# Allegro board MCU-OLD.brd (continued)
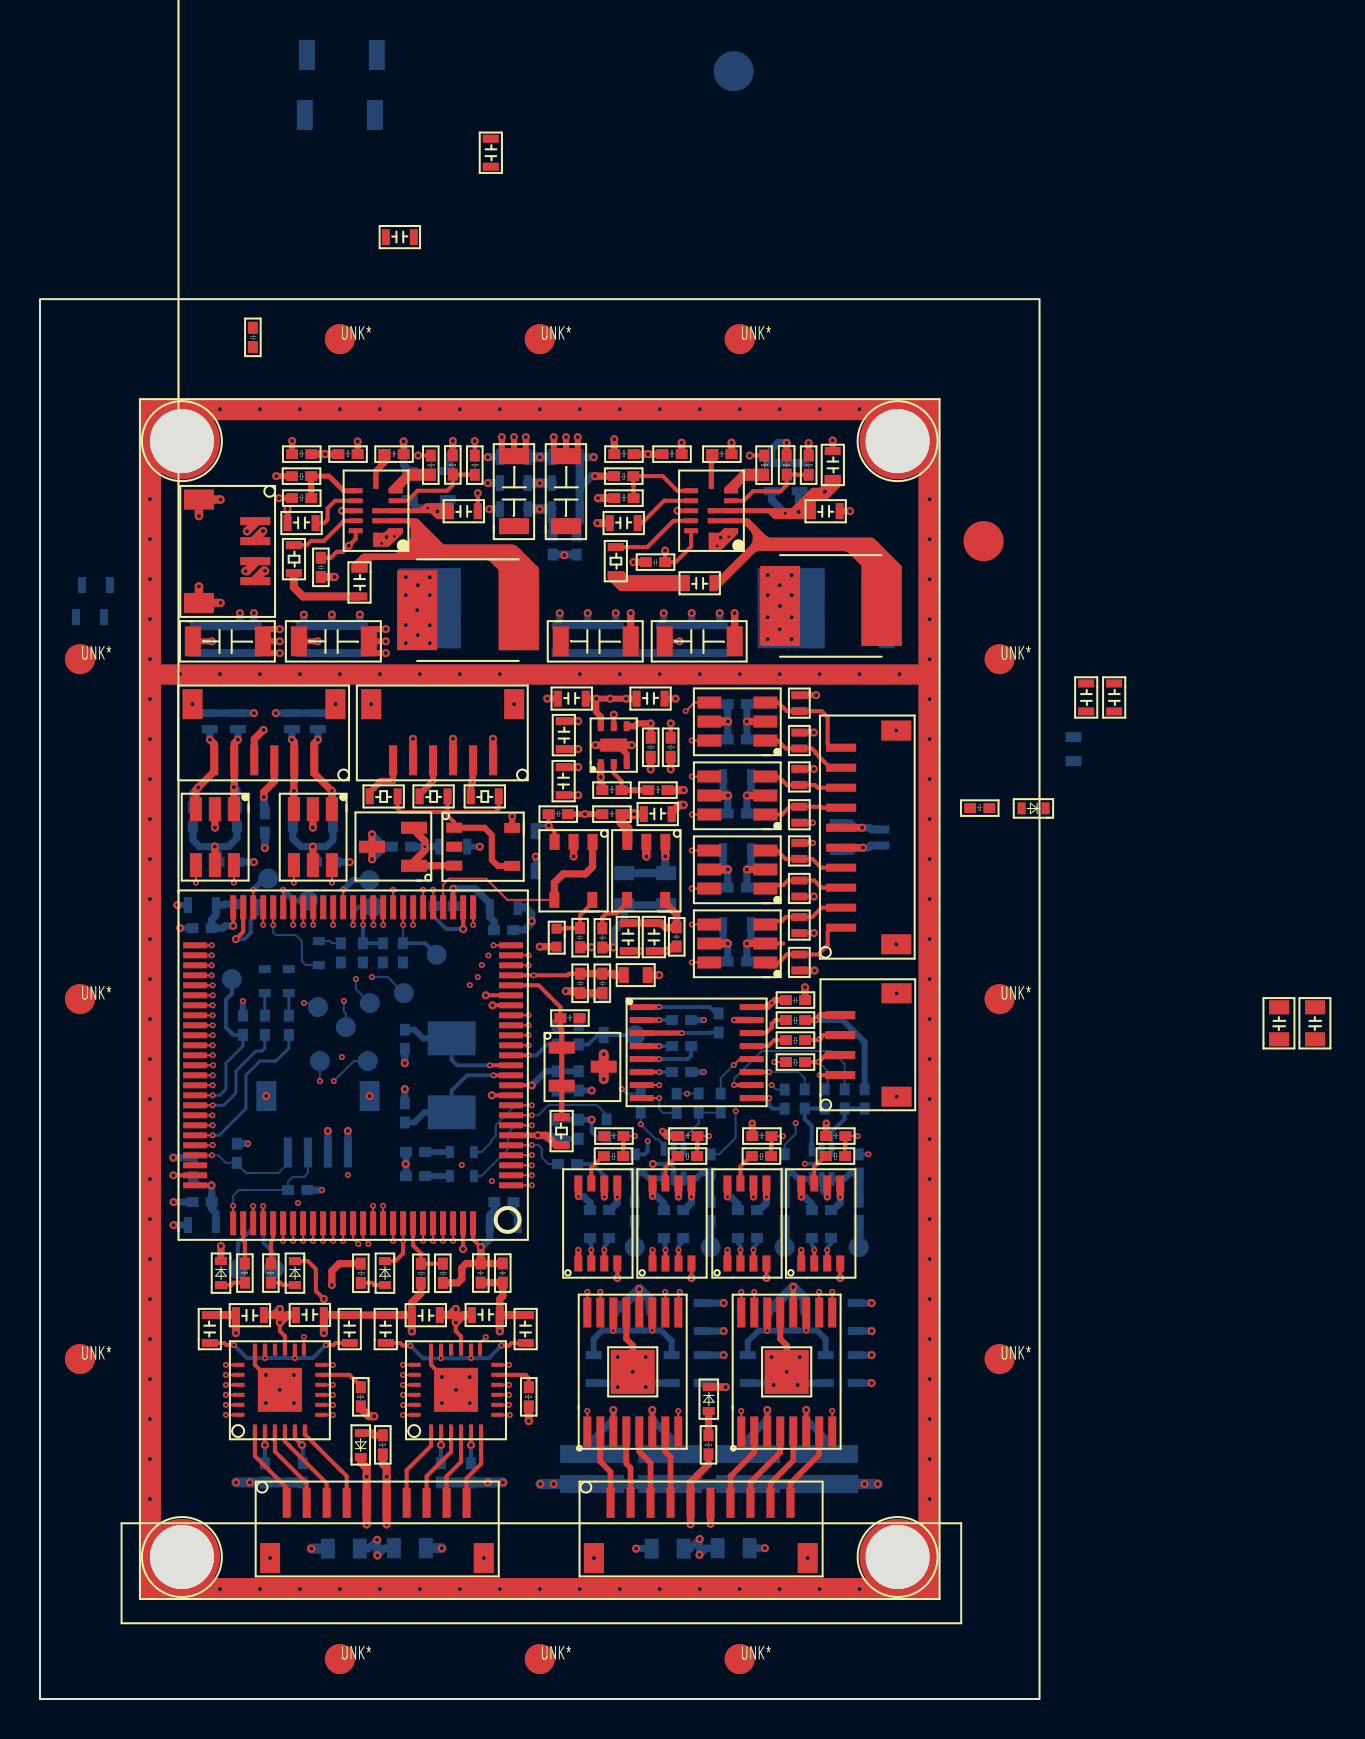
[diagram p0: board, top side]
## Placement (name value [footprint] x y rotation side) (continued)
NOREF#308  -  []  35.7 8.16 90 top
NOREF#309  -  []  27.1 59.91 0 top
NOREF#310  -  []  37.45 26.35 0 top
NOREF#311  -  []  24.18 21.32 90 top
NOREF#312  -  []  22.27 25.24 90 top
NOREF#313  -  []  31.25 26.98 90 top
NOREF#314  -  []  8.77 38.16 0 top
NOREF#315  -  []  10.3 83 90 top
NOREF#316  -  []  24 40 90 top
NOREF#317  -  []  40.07 47.57 90 top
NOREF#318  -  []  9.32 44.13 0 top
NOREF#319  -  []  11.95 24.28 0 top
NOREF#320  -  []  34.07 39.91 0 top
NOREF#321  -  []  9.8 49.4 90 top
NOREF#322  -  []  36.72 26.78 0 top
NOREF#323  -  []  40.9 12.7 90 top
NOREF#324  -  []  27.33 25.58 90 top
NOREF#325  -  []  27.63 39.96 90 top
NOREF#326  -  []  31.4 29.82 90 top
NOREF#327  -  []  38.73 32.56 90 top
NOREF#328  -  []  28.3 30.93 90 top
NOREF#329  -  []  53.7 48.3 90 top
NOREF#330  -  []  26.49 34.21 0 top
NOREF#331  -  []  15.9 18.51 0 top
NOREF#332  -  []  33.33 26.76 90 top
NOREF#333  -  []  29.05 32.88 90 top
NOREF#334  -  []  37.68 49.03 0 top
NOREF#335  -  []  14.12 44.13 0 top
NOREF#336  -  []  27.1 61.21 0 top
NOREF#337  -  []  30.14 60.76 90 top
NOREF#338  -  []  27.2 54.8 90 top
NOREF#339  -  []  36.85 31.46 0 top
NOREF#340  -  []  15.6 53.01 0 top
NOREF#341  -  []  17.4 19.71 90 top
NOREF#342  -  []  32.14 50.4 90 top
NOREF#343  -  []  17.5 9.41 0 top
NOREF#344  -  []  10.3 84.6 0 top
NOREF#345  -  []  17.2 73.51 0 top
NOREF#346  -  []  19.6 29.33 90 top
NOREF#347  -  []  45.4 52.5 90 top
NOREF#348  -  []  13.75 61.08 0 top
NOREF#349  -  []  30.43 20.78 0 top
NOREF#350  -  []  29.85 56.46 0 top
NOREF#351  -  []  37.42 43.89 90 top
NOREF#352  -  []  28.37 34.21 90 top
NOREF#353  -  []  24.8 41.4 90 top
NOREF#354  -  []  17.7 18.51 0 top
NOREF#355  -  []  17.5 17.7 90 top
NOREF#356  -  []  22.81 59.8 90 top
NOREF#357  -  []  16.62 37.33 0 top
NOREF#358  -  []  16 44.13 90 top
NOREF#359  -  []  15.52 19.71 0 top
NOREF#360  -  []  34.4 6.9 90 top
NOREF#361  -  []  29.7 28.53 90 top
NOREF#362  -  []  19.01 47.17 0 top
NOREF#363  -  []  10.65 24.46 90 top
NOREF#364  -  []  33.5 20.71 0 top
NOREF#365  -  []  31.9 46.01 90 top
NOREF#366  -  []  39.48 61.73 90 top
NOREF#367  -  []  28.7 40.75 0 top
NOREF#368  -  []  22.25 37.28 0 top
NOREF#369  -  []  27.3 16.51 0 top
NOREF#370  -  []  42.3 26.78 90 top
NOREF#371  -  []  24.5 62.5 90 top
NOREF#372  -  []  0.4 56.91 0 top
NOREF#373  -  []  13.88 58.4 90 top
NOREF#374  -  []  27.27 38.09 0 top
NOREF#375  -  []  35.67 42.8 90 top
NOREF#376  -  []  7.12 44.13 0 top
NOREF#377  -  []  38.9 16.51 0 top
NOREF#378  -  []  28.44 30.1 90 top
NOREF#379  -  []  17.5 37.33 90 top
NOREF#380  -  []  31.34 43.01 90 top
NOREF#381  -  []  16.2 8.15 0 top
NOREF#382  -  []  10.5 52.2 90 top
NOREF#383  -  []  34.98 43.01 90 top
NOREF#384  -  []  38.4 62.71 0 top
NOREF#385  -  []  31.1 26.78 90 top
NOREF#386  -  []  20.72 42.62 90 top
NOREF#387  -  []  18.18 15.13 90 top
NOREF#388  -  []  23.62 43.56 90 top
NOREF#389  -  []  38.8 13.06 90 top
NOREF#390  -  []  14.3 18.8 90 top
NOREF#391  -  []  8.9 24.11 0 top
NOREF#392  -  []  19.28 12.73 90 top
NOREF#393  -  []  13.1 53.7 0 top
NOREF#394  -  []  14.2 50 0 top
NOREF#395  -  []  12.28 32.11 90 top
NOREF#396  -  []  26.6 45.91 0 top
NOREF#397  -  []  38.15 23.28 0 top
NOREF#398  -  []  38.28 36.93 0 top
NOREF#399  -  []  31.2 27.51 0 top
NOREF#400  -  []  27.24 55.16 0 top
NOREF#401  -  []  15.4 55.01 90 top
NOREF#402  -  []  21.65 44.14 90 top
NOREF#403  -  []  32.8 15.7 90 top
NOREF#404  -  []  18.2 6.9 90 top
NOREF#405  -  []  22.9 60.71 0 top
NOREF#406  -  []  30.1 44.66 0 top
NOREF#407  -  []  22.27 26.02 0 top
NOREF#408  -  []  36.46 48.4 90 top
NOREF#409  -  []  22.2 7.05 90 top
NOREF#410  -  []  35.67 46.5 90 top
NOREF#411  -  []  22.3 21.32 0 top
NOREF#412  -  []  26.16 41.75 90 top
NOREF#413  -  []  38.28 44.32 0 top
NOREF#414  -  []  28.46 43.08 90 top
NOREF#415  -  []  19.56 13.43 0 top
NOREF#416  -  []  21.5 19.61 0 top
NOREF#417  -  []  17.14 41.45 0 top
NOREF#418  -  []  23.07 42.22 90 top
NOREF#419  -  []  32.4 52.2 90 top
NOREF#420  -  []  25.26 56.77 0 top
NOREF#421  -  []  25.8 50.43 0 top
NOREF#422  -  []  22.4 49.3 90 top
NOREF#423  -  []  18.15 13.41 90 top
NOREF#424  -  []  43.08 22.81 90 top
NOREF#425  -  []  11.2 44.13 90 top
NOREF#426  -  []  25.45 25.58 0 top
NOREF#427  -  []  47.67 43.38 0 top
NOREF#428  -  []  9.66 23.79 0 top
NOREF#429  -  []  36.56 19.98 0 top
NOREF#430  -  []  31.88 46.21 0 top
NOREF#431  -  []  64.6 32.79 90 top
NOREF#432  -  []  23.1 18.8 90 top
NOREF#433  -  []  40.47 26.98 0 top
NOREF#434  -  []  20.9 60.12 90 top
NOREF#435  -  []  22.78 61.73 90 top
NOREF#436  -  []  12.14 60.76 0 top
NOREF#437  -  []  31.9 38.9 90 top
NOREF#438  -  []  33.8 57.01 0 top
NOREF#439  -  []  25.26 41.75 0 top
NOREF#440  -  []  33.6 53.01 0 top
NOREF#441  -  []  38.73 31.46 90 top
NOREF#442  -  []  16.4 37.33 90 top
NOREF#443  -  []  12.34 9.81 0 top
NOREF#444  -  []  26.3 26.35 0 top
NOREF#445  -  []  33.8 22.81 0 top
NOREF#446  -  []  14.5 11.33 90 top
NOREF#447  -  []  53.53 50.88 90 top
NOREF#448  -  []  25.8 49.81 0 top
NOREF#449  -  []  13.52 55.01 0 top
NOREF#450  -  []  27.2 30.93 90 top
NOREF#451  -  []  26.42 30.93 0 top
NOREF#452  -  []  24.5 60.4 0 top
NOREF#453  -  []  7.1 7.1 0 top
NOREF#454  -  []  12.38 21.32 90 top
NOREF#455  -  []  10.2 81.6 0 top
NOREF#456  -  []  12.3 58.61 0 top
NOREF#457  -  []  28.93 21.88 90 top
NOREF#458  -  []  30.8 53.01 0 top
NOREF#459  -  []  17.72 29.33 0 top
NOREF#460  -  []  24.7 18.51 0 top
NOREF#461  -  []  32.42 29.82 0 top
NOREF#462  -  []  16.07 61.08 0 top
NOREF#463  -  []  29.87 61.08 0 top
NOREF#464  -  []  34.3 29.82 90 top
NOREF#465  -  []  33.03 32.78 90 top
NOREF#466  -  []  64.4 34.04 0 top
NOREF#467  -  []  35.67 39.1 90 top
NOREF#468  -  []  35.54 40.19 0 top
NOREF#469  -  []  7.5 53.01 0 top
NOREF#470  -  []  14.77 56.63 90 top
NOREF#471  -  []  42.8 17.3 90 top
NOREF#472  -  []  16.3 52.1 90 top
NOREF#473  -  []  10.08 42.87 0 top
NOREF#474  -  []  29.9 15.1 0 top
NOREF#475  -  []  8.8 50 0 top
NOREF#476  -  []  30.02 46.01 0 top
NOREF#477  -  []  28.2 45.1 90 top
NOREF#478  -  []  31.7 43.85 90 top
NOREF#479  -  []  28.66 33.55 0 top
NOREF#480  -  []  35.69 60.12 0 top
NOREF#481  -  []  33.5 18.11 0 top
NOREF#482  -  []  36.65 61.08 90 top
NOREF#483  -  []  26.69 42.86 0 top
NOREF#484  -  []  35.3 33.83 90 top
NOREF#485  -  []  0.4 56.1 90 top
NOREF#486  -  []  40.72 30.03 0 top
NOREF#487  -  []  39.28 36.33 90 top
NOREF#488  -  []  31.2 16.51 0 top
NOREF#489  -  []  7.9 25.01 0 top
NOREF#490  -  []  37.68 50.9 0 top
NOREF#491  -  []  10.3 53.01 0 top
NOREF#492  -  []  10.65 38.16 90 top
NOREF#493  -  []  27.6 34.21 0 top
NOREF#494  -  []  16.3 15.13 0 top
NOREF#495  -  []  8.77 24.46 0 top
NOREF#496  -  []  38.8 6.4 90 top
NOREF#497  -  []  14 44.13 90 top
NOREF#498  -  []  34.95 26.98 90 top
NOREF#499  -  []  20.1 20.41 0 top
NOREF#500  -  []  23.56 25.69 90 top
NOREF#501  -  []  12.8 53.01 0 top
NOREF#502  -  []  14.4 52.2 90 top
NOREF#503  -  []  33.8 15.1 0 top
NOREF#504  -  []  24.5 59.9 90 top
NOREF#505  -  []  35.54 47.59 0 top
NOREF#506  -  []  40.65 21.2 90 top
NOREF#507  -  []  11.3 20.41 0 top
NOREF#508  -  []  38.6 26.78 90 top
NOREF#509  -  []  15.2 49.4 90 top
NOREF#510  -  []  29.48 36.48 90 top
NOREF#511  -  []  45.4 54.8 90 top
NOREF#512  -  []  21.5 19.71 90 top
NOREF#513  -  []  33.8 52.2 90 top
NOREF#514  -  []  34.07 43.61 0 top
NOREF#515  -  []  27.2 33.23 90 top
NOREF#516  -  []  19.7 59.9 90 top
NOREF#517  -  []  33.52 29.82 0 top
NOREF#518  -  []  24 24.1 90 top
NOREF#519  -  []  28.4 59.21 0 top
NOREF#520  -  []  13.9 49.4 90 top
NOREF#521  -  []  26 15.1 0 top
NOREF#522  -  []  40.91 59.8 90 top
NOREF#523  -  []  19.5 8.16 90 top
NOREF#524  -  []  36.85 32.56 0 top
NOREF#525  -  []  34.77 61.08 0 top
NOREF#526  -  []  42.2 54.1 0 top
NOREF#527  -  []  29.15 38.09 90 top
NOREF#528  -  []  37 12.7 90 top
NOREF#529  -  []  8.52 68.07 0 top
NOREF#530  -  []  15.23 40.68 90 top
NOREF#531  -  []  26.59 43.08 0 top
NOREF#532  -  []  26.96 13.41 90 top
NOREF#533  -  []  38.6 26 90 top
NOREF#534  -  []  17.99 46.35 0 top
NOREF#535  -  []  34.45 21.88 0 top
NOREF#536  -  []  36.6 15.7 90 top
NOREF#537  -  []  12.62 11.33 0 top
NOREF#538  -  []  19.59 45.54 90 top
NOREF#539  -  []  27.2 26.91 0 top
NOREF#540  -  []  30.33 42.86 0 top
NOREF#541  -  []  19.5 37.33 90 top
NOREF#542  -  []  10.5 17.7 90 top
NOREF#543  -  []  22.15 78.93 0 top
NOREF#544  -  []  8.9 40.11 0 top
NOREF#545  -  []  29.56 33.55 90 top
NOREF#546  -  []  30 57.7 90 top
NOREF#547  -  []  18.5 31.41 0 top
NOREF#548  -  []  14.52 37.33 0 top
NOREF#549  -  []  33.07 26.98 0 top
NOREF#550  -  []  22.9 11.33 90 top
NOREF#551  -  []  40.03 23.28 90 top
NOREF#552  -  []  31.88 22.81 90 top
NOREF#553  -  []  33.1 12.7 90 top
NOREF#554  -  []  2.36 44.99 0 top
NOREF#555  -  []  35.1 19.9 90 top
NOREF#556  -  []  36.85 34.56 0 top
NOREF#557  -  []  38.16 19.17 90 top
NOREF#558  -  []  10.5 39.3 90 top
NOREF#559  -  []  20.38 31.41 90 top
NOREF#560  -  []  9.45 38.58 0 top
NOREF#561  -  []  19.02 41.45 90 top
NOREF#562  -  []  20.25 61.08 90 top
NOREF#563  -  []  33.03 31.48 90 top
NOREF#564  -  []  39.1 26 0 top
NOREF#565  -  []  27.1 62.51 0 top
NOREF#566  -  []  18.71 41.66 90 top
NOREF#567  -  []  30.75 21.88 0 top
NOREF#568  -  []  23.2 50.4 90 top
NOREF#569  -  []  16.66 30.69 90 top
NOREF#570  -  []  25.32 33.23 0 top
NOREF#571  -  []  15.2 54.4 0 top
NOREF#572  -  []  18.8 72.7 90 top
NOREF#573  -  []  22.86 17.51 0 top
NOREF#574  -  []  27.38 13.38 0 top
NOREF#575  -  []  8.9 18.51 0 top
NOREF#576  -  []  28.24 46.21 0 top
NOREF#577  -  []  45 5 90 top
NOREF#578  -  []  23.4 21.32 0 top
NOREF#579  -  []  36.33 21.88 90 top
NOREF#580  -  []  30.3 39.71 0 top
NOREF#581  -  []  40.03 21.88 90 top
NOREF#582  -  []  39.63 13.38 90 top
NOREF#583  -  []  31.73 56.46 90 top
NOREF#584  -  []  38.28 40.63 0 top
NOREF#585  -  []  27.4 49.62 90 top
R49  100K  [R0402]  29.7 62.5 180 top
R50  DNP  [R0402]  32.11 62.5 180 top
R51  100K  [R0402]  13.58 62.5 180 top
R52  DNP  [R0402]  15.9 62.5 180 top
R57  100K  [R0402]  36.47 61.21 90 top
R58  787K  [R0402]  37.1 62.2 270 top
R59  DNP  [R0402]  38.7 61.21 90 top
R60  100K  [R0402]  19.8 61.21 90 top
R61  499K  [R0402]  20.4 62.2 270 top
R62  DNP  [R0402]  22 61.21 90 top
R69  40.2K  [R0402]  28.71 60.9 0 top
R70  40.2K  [R0402]  12.59 60.9 0 top
R75  294K  [R0402]  29.7 60.3 180 top
R76  182K  [R0402]  13.58 60.3 180 top
R86  0  [R0603]  28.4 57.7 270 top
R87  0  [R0603]  12.3 57.8 270 top
R134  0  [R0402]  16.4 37.8 270 bottom
R135  DNP  [R0402]  17.4 37.8 270 bottom
R140  1K  [R0402]  11 33.2 90 bottom
R144  1K  [R0402]  12.2 33.2 90 bottom
R145  1K  [R0402]  11.3 21.79 270 top
R150  1K  [R0402]  10 21.79 270 top
R153  10K  [R0402]  9.6 26.8 90 bottom
R154  12K  [R0402]  26.6 57.21 90 bottom
R156  68K  [R0402]  25.9 58.2 270 bottom
R157  10K  [R0402]  12.4 25.7 0 bottom
R170  0.47  [R3216]  26 12.7 0 bottom
R171  0.47  [R3216]  29.9 12.7 0 bottom
R172  0.47  [R3216]  33.8 12.7 0 bottom
R173  0.47  [R3216]  37.7 12.7 0 bottom
R176  0  [R0402]  24.2 15.6 270 top
R178  0  [R0402]  20.3 11.8 270 bottom
R180  10K  [R0402]  25.9 27 0 bottom
R181  1K  [R0402]  18.3 26.4 0 bottom
R182  10K  [R0402]  28.6 29 270 bottom
R183  1K  [R0402]  15.3 37.8 270 bottom
R184  0  [R0402]  21.8 11.8 270 bottom
R186  1K  [R0402]  18.3 27.6 0 bottom
R187  10K  [R0402]  7.9 44.6 270 bottom
R189  10K  [R0402]  10.1 44.6 270 bottom
R291  560  [R0603]  21.47 42.22 180 bottom
R297  1K,1%  [R0603]  17.99 45.54 180 top
R298  1K,1%  [R0603]  20.49 45.54 180 top
R299  1K,1%  [R0603]  23.05 45.54 180 top
R308  DNP  [R0402]  30.8 47.1 90 top
R309  10K  [R0402]  18.4 37.8 270 bottom
R315  51.1K  [R0402]  29.1 45.7 180 top
R316  40.2K  [R0402]  31.4 45.7 180 top
R317  51.1K  [R0402]  31.8 47.1 90 top
R320  560  [R0603]  26.5 27.6 90 top
R321  4.7K  [R0402]  47.5 44.8 180 top
R322  33  [R0402]  37 23.9 90 bottom
R323  10K  [R0402]  27.2 33.7 270 bottom
R324  DNP  [R0402]  37.5 27.25 270 bottom
R327  6.8K  [R0402]  33.19 13.2 270 top
R328  10K  [R0402]  9.9 33.2 90 bottom
R329  33  [R0402]  33.3 23.9 90 bottom
R330  33  [R0402]  40.7 23.9 90 bottom
R331  DNP  [R0402]  33.8 27.25 270 bottom
R332  DNP  [R0402]  41.2 27.25 270 bottom
R334  DNP  [R0402]  37 29.51 90 bottom
R335  0  [R0402]  30.3 30.29 270 bottom
R336  33  [R0402]  29.5 23.9 90 bottom
R338  DNP  [R0402]  30 27.25 270 bottom
R339  10  [R0402]  28.2 26.9 0 top
R340  10  [R0402]  39.3 26.9 0 top
R341  10  [R0402]  35.6 26.9 0 top
R342  10  [R0402]  31.9 26.9 0 top
R343  0  [R0402]  19.3 20.8 90 top
R344  DNP  [R0402]  20.4 20.8 90 top
R345  0  [R0402]  39.5 30.5 270 bottom
R346  DNP  [R0402]  38.5 30.5 270 bottom
R347  0  [R0402]  40.5 30.5 270 bottom
R348  DNP  [R0402]  41.5 30.5 270 bottom
R349  DNP  [R0402]  34.3 30.29 270 bottom
R350  0  [R0402]  33.2 30.29 270 bottom
R358  2.05K,1%  [R0402]  38.6 23.3 0 bottom
R359  2.05K,1%  [R0402]  34.9 23.3 0 bottom
R360  2.05K,1%  [R0402]  31.2 23.3 0 bottom
R361  2.05K,1%  [R0402]  27.5 23.3 0 bottom
R363  0  [R0402]  15.8 15.6 270 top
R368  0  [R0402]  37.3 31.6 0 top
R369  DNP  [R0402]  31.6 29.3 90 bottom
R370  0  [R0402]  11.5 11.8 270 bottom
R371  DNP  [R0402]  37.3 33.7 0 top
R372  0  [R0402]  37.3 32.7 0 top
R373  0  [R0402]  13.4 11.8 270 bottom
R374  1K  [R0402]  16.3 20.8 90 top
R377  10K  [R0402]  12.9 44.6 270 bottom
R378  10K  [R0402]  14.9 44.6 270 bottom
R379  6.8K  [R0402]  16.9 13.2 270 top
TP1  T POINT R  [TP_SMD_CIR_1D0]  16.48 40.95 180 bottom
TP2  T POINT R  [TP_SMD_CIR_1D0]  13.42 39.93 180 bottom
TP4  T POINT R  [TP_SMD_CIR_1D0]  11.41 41.03 180 bottom
TP11  T POINT R  [TP_SMD_CIR_2D0]  47.2 57.9 0 top
TP12  T POINT R  [TP_SMD_CIR_2D0]  34.7 81.4 180 bottom
TP35  T POINT R  [SCREW-M3]  7.1 62.9 0 top
TP36  T POINT R  [SCREW-M3]  42.9 62.9 0 top
TP37  T POINT R  [SCREW-M3]  7.1 7.1 0 top
TP38  T POINT R  [SCREW-M3]  42.9 7.1 0 top
TP43  T POINT R  [TP_SMD_CIR_1D0]  9.6 36 180 bottom
TP47  T POINT R  [TP_SMD_CIR_1D0]  11.7 21.5 180 bottom
TP48  T POINT R  [TP_SMD_CIR_1D0]  9.9 21.5 180 bottom
TP51  T POINT R  [TP_SMD_CIR_1D0]  29.75 22.6 180 bottom
TP52  T POINT R  [TP_SMD_CIR_1D0]  40.95 22.6 180 bottom
TP53  T POINT R  [TP_SMD_CIR_1D0]  37.25 22.6 180 bottom
TP54  T POINT R  [TP_SMD_CIR_1D0]  33.55 22.6 180 bottom
TP55  T POINT R  [TP_SMD_CIR_1D0]  19.84 37.22 180 bottom
TP56  T POINT R  [TP_SMD_CIR_1D0]  29.77 33.2 180 bottom
TP57  T POINT R  [TP_SMD_CIR_1D0]  16.4 31.9 180 bottom
TP58  T POINT R  [TP_SMD_CIR_1D0]  14 31.9 180 bottom
TP59  T POINT R  [TP_SMD_CIR_1D0]  13.9 34.6 180 bottom
TP60  T POINT R  [TP_SMD_CIR_1D0]  15.3 33.6 180 bottom
TP61  T POINT R  [TP_SMD_CIR_1D0]  16.5 34.8 180 bottom
TP62  T POINT R  [TP_SMD_CIR_1D0]  18.2 35.3 180 bottom
TP63  T POINT R  [TP_SMD_CIR_1D0]  16.68 39.62 180 bottom
U11  MP2326GD  [QFN-14]  33.58 59.42 180 top
U12  MP2326GD  [QFN-14]  16.8 59.42 180 top
U19  STM32F103VET6  [LQFP-100]  15.66 31.69 90 top
U21  SGM2028-3.3  [SOT-23-5]  30.33 41.41 180 top
U22  MCP6001T-I/OT  [SOT-23-5]  26.69 41.41 180 top
U25  SN74LVC2G34DBVR  [SOT-23-6]  14.6 44.5 270 top
U26  DRV8848PWPR  [HTSSOP-16]  29.65 16.36 90 top
U27  DRV8848PWPR  [HTSSOP-16]  37.35 16.36 90 top
U28  DRV8846RGER  [VQFN-24]  20.81 15.46 90 top
U31  SN74LVC2G34DBVR  [SOT-23-6]  9.7 44.5 270 top
U37  MCP6001T-I/OT  [SOT-23-5]  22.17 42.62 270 top
U38  TPS74601PBQWDRVRQ1  [WSON-6]  28.7 47.7 90 top
U39  TL431AIDBZT  [SOT-23-3]  25.8 30.1 0 top
U40  TL431AIDBZT  [SOT-23-3]  19.01 44.14 180 top
U41  SN74LVC2G34DRL  [SOT-6]  39.6 26 90 bottom
U42  SN74LVC2G34DRL  [SOT-6]  31.2 27.51 270 bottom
U43  AD8226ARMZ  [MSOP-8]  37.45 21.2 0 top
U44  AD8226ARMZ  [MSOP-8]  33.76 21.2 0 top
U45  AD8226ARMZ  [MSOP-8]  30.01 21.2 0 top
U46  AD8226ARMZ  [MSOP-8]  26.3 21.2 0 top
U47  SP3232EEY  [TSSOP-16]  35.6 34.6 270 top
U48  DRV8846RGER  [VQFN-24]  12 15.46 90 top
U50  SN74LVC2G34DBVR  [SOT-23-6]  36.28 44.23 180 top
U51  SN74LVC2G34DBVR  [SOT-23-6]  36.28 47.93 180 top
U52  SN74LVC2G34DBVR  [SOT-23-6]  36.28 36.83 180 top
U53  SN74LVC2G34DBVR  [SOT-23-6]  36.28 40.53 180 top
UNK*  -  [unnamed#2]  48 17 0 top
UNK*#2  -  [unnamed#2]  15 2 0 top
UNK*#3  -  [unnamed#2]  48 52 0 top
UNK*#4  -  [unnamed#2]  35 68 0 top
UNK*#5  -  [unnamed#2]  15 68 0 top
UNK*#6  -  [unnamed#2]  48 35 0 top
UNK*#7  -  [unnamed#2]  2 17 0 top
UNK*#8  -  [unnamed#2]  2 35 0 top
UNK*#9  -  [unnamed#2]  2 52 0 top
UNK*#10  -  [unnamed#2]  35 2 0 top
UNK*#11  -  [unnamed#2]  25 2 0 top
UNK*#12  -  [unnamed#2]  25 68 0 top
UNK*#13  -  [unnamed#2]  35 68 180 bottom
UNK*#14  -  [unnamed#2]  15 68 180 bottom
UNK*#15  -  [unnamed#2]  2 35 180 bottom
UNK*#16  -  [unnamed#2]  2 17 180 bottom
UNK*#17  -  [unnamed#2]  35 2 180 bottom
UNK*#18  -  [unnamed#2]  25 2 180 bottom
UNK*#19  -  [unnamed#2]  25 68 180 bottom
UNK*#20  -  [unnamed#2]  15 2 180 bottom
UNK*#21  -  [unnamed#2]  2 52 180 bottom
Y3  8MHz  [CRY5032]  22.1 33.7 270 bottom

## Library data of the parts
C61-C64 C69 C70 C75 C76 C79 C80 C84 C85 C88 C89 C103 C104 C115-C117 C124 C126 C127 C130-C132 C137 C141 C142 C154 C156 C163 C166 C167 C169 C170 C174 C177-C181 C185 C187 C188 C190 C194 C196 C364-C366 C370-C375 C385-C387 C413 C416 C422 C423 C427 C429 C435-C437 C441-C443 C460 C461 C466 C472 C487 C488 C503 C504 C513 C515 C527 C539 C566-C572 C574 C590-C592 C594-C596 C600 C601 C603 C607 C609-C611 C642 C643 C648-C652 = CAP NP
C136 C138 C139 C153 C155 C157-C162 C168 C176 C189 C203 C479 C492-C495 C525 C532 C546 C553 C573 C606 C644-C647 = CAP NP: signal model: DEFAULT_CAPACITOR_100000pF_2_1
D14-D17 D19-D21 D41-D43 D56 = LED
D18 D40 = 1N4148WT
D22 D24 D25 D44 D45 D47-D50 D52-D55 = DIODE BI-DIR TRIG
J7 J15 = HEADER1x6_1
J14 J18 J19 = HEADER-1X10
J16 J20 J21 = HEADER-1X4
L7 L8 = INDUCTOR
L13 L17 L20 = BEAD
R49-R52 R57-R62 R69 R70 R75 R76 R86 R87 R134 R135 R140 R144 R145 R150 R153 R154 R156 R157 R170-R173 R176 R178 R180-R184 R186 R187 R189 R291 R297-R299 R308 R309 R315-R317 R320-R324 R327-R332 R334-R336 R338-R350 R358-R361 R363 R368-R374 R377-R379 = R
TP1 TP2 TP4 TP11 TP12 TP35-TP38 TP43 TP47 TP48 TP51-TP63 = T POINT R
U11 U12 = MP2326GD
U19 = STM32F103VET6
U21 = SGM2028-3.3
U22 U37 = MCP6001T-I/OT
U25 U31 U41 U42 U50-U53 = SN74LVC2G34DRL
U26 U27 = DRV8848PWPR
U28 U48 = DRV8846RGER
U38 = TPS74601PBQWDRVRQ1
U39 U40 = TL431AIDBZT
U43-U46 = AD8226ARMZ
U47 = SP3232EEY
Y3 = CRYSTAL

## Footprints (pads in the part's own frame, mm; a bottom-side part is the same pattern mirrored in y, then rotated)
C0402
  rect 0.6x0.5 smd: 1(0.01,0.25) 2(0.97,0.25)
C0603
  rect 0.4x0.8 smd: 1(0.1,0.4) 2(1.5,0.4)
C0805
  rect 0.7x1 smd: 1(0.2,0.62) 2(1.8,0.62)
C1206
  rect 0.8x1.5 smd: 1(-0.15,0.79) 2(3.35,0.79)
CD54-IND-2P
  rect 2x4 smd: 1(0,2.54) 2(5.08,2.54)
CRY5032
  rect 1.7x2.4 smd: 1(0.66,1.51) 2(4.36,1.51)
DF1006
  rect 0.4x0.8 smd: 1(0.1,0.3) 2(0.9,0.3)
FB0402
  rect 0.5x0.5 smd: 1(0.05,0.24) 2(0.95,0.24)
FB0603
  rect 0.5x0.8 smd: 1(0.2,0.4) 2(1.4,0.4)
HTSSOP-16
  rect 1.5x0.4 smd: 1(-2.98,2.27) 2(-2.98,1.62) 3(-2.98,0.97) 4(-2.98,0.32) 5(-2.98,-0.33) 6(-2.98,-0.98) 7(-2.98,-1.63) 8(-2.98,-2.28) 9(2.97,-2.28) 10(2.97,-1.63) 11(2.97,-0.98) 12(2.97,-0.33) 13(2.97,0.32) 14(2.97,0.97) 15(2.97,1.62) 16(2.97,2.27)
  rect 2.2x2.2 smd: 17(0,0)
LED0402
  rect 0.4x0.6 smd: 1(-0.1,0.25) 2(1.1,0.25)
LQFP-100
  rect 0.3x1.2 smd: 1(-6.003,-7.901) 2(-5.503,-7.901) 3(-5.003,-7.901) 4(-4.503,-7.901) 5(-4.003,-7.901) 6(-3.503,-7.901) 7(-3.003,-7.901) 8(-2.503,-7.901) 9(-2.003,-7.901) 10(-1.503,-7.901) 11(-1.003,-7.901) 12(-0.503,-7.901) 13(-0.003,-7.901) 14(0.497,-7.901) 15(0.997,-7.901) 16(1.497,-7.901) 17(1.997,-7.901) 18(2.497,-7.901) 19(2.997,-7.901) 20(3.497,-7.901) 21(3.997,-7.901) 22(4.497,-7.901) 23(4.997,-7.901) 24(5.497,-7.901) 25(5.997,-7.901) 51(5.998,7.901) 52(5.498,7.901) 53(4.998,7.901) 54(4.498,7.901) 55(3.998,7.901) 56(3.498,7.901) 57(2.998,7.901) 58(2.498,7.901) 59(1.998,7.901) 60(1.498,7.901) 61(0.998,7.901) 62(0.498,7.901) 63(-0.002,7.901) 64(-0.502,7.901) 65(-1.002,7.901) 66(-1.502,7.901) 67(-2.002,7.901) 68(-2.502,7.901) 69(-3.002,7.901) 70(-3.502,7.901) 71(-4.002,7.901) 72(-4.502,7.901) 73(-5.002,7.901) 74(-5.502,7.901) 75(-6.002,7.901)
  rect 1.2x0.3 smd: 26(7.9,-6.007) 27(7.9,-5.507) 28(7.9,-5.007) 29(7.9,-4.507) 30(7.9,-4.007) 31(7.9,-3.507) 32(7.9,-3.007) 33(7.9,-2.507) 34(7.9,-2.007) 35(7.9,-1.507) 36(7.9,-1.007) 37(7.9,-0.507) 38(7.9,-0.007) 39(7.9,0.493) 40(7.9,0.993) 41(7.9,1.493) 42(7.9,1.993) 43(7.9,2.493) 44(7.9,2.993) 45(7.9,3.493) 46(7.9,3.993) 47(7.9,4.493) 48(7.9,4.993) 49(7.9,5.493) 50(7.9,5.993) 76(-7.902,5.997) 77(-7.902,5.497) 78(-7.902,4.997) 79(-7.902,4.497) 80(-7.902,3.997) 81(-7.902,3.497) 82(-7.902,2.997) 83(-7.902,2.497) 84(-7.902,1.997) 85(-7.902,1.497) 86(-7.902,0.997) 87(-7.902,0.497) 88(-7.902,-0.003) 89(-7.902,-0.503) 90(-7.902,-1.003) 91(-7.902,-1.503) 92(-7.902,-2.003) 93(-7.902,-2.503) 94(-7.902,-3.003) 95(-7.902,-3.503) 96(-7.902,-4.003) 97(-7.902,-4.503) 98(-7.902,-5.003) 99(-7.902,-5.503) 100(-7.902,-6.003)
MSOP-8
  rect 0.4x0.8 smd: 1(0.63,0.58) 2(1.28,0.58) 3(1.93,0.58) 4(2.58,0.58) 5(2.58,4.58) 6(1.93,4.58) 7(1.28,4.58) 8(0.63,4.58)
QFN-14
  rect 0.7x0.25 smd: 1(-0.99,1) 2(-0.99,0.5) 3(-0.99,0) 4(-0.99,-0.5) 5(-0.99,-1) 7(1.01,-1) 8(1.01,-0.5) 9(1.01,0) 10(1.01,0.5) 11(1.01,1)
  rect 0.25x0.7 smd: 6(0,-1.45) 12(0,1.45)
  rect 0.35x0.25 smd: 13(0,0.5) 14(0,0)
R0402
  rect 0.6x0.5 smd: 1(0.01,0.25) 2(0.97,0.25)
R0603
  rect 0.4x0.8 smd: 1(0.1,0.4) 2(1.5,0.4)
R3216
  rect 3.2x0.9 smd: 1(1.62,1.95) 2(1.62,0.45)
SCREW-M3
  round 3.8 hole 3.2 unplated: (0,0)
SH1D0-SMD-VER-4P
  rect 0.4x1.5 smd: 1(1.5,3.47) 2(2.5,3.47) 3(3.5,3.47) 4(4.5,3.47)
  rect 1x1.5 smd: M1(0.42,0.65) M2(5.59,0.65)
SH1D0-SMD-VER-6P
  rect 0.4x1.5 smd: 1(1.48,3.46) 2(2.48,3.46) 3(3.48,3.46) 4(4.48,3.46) 5(5.48,3.46) 6(6.48,3.46)
  rect 1x1.5 smd: M1(0.42,0.65) M2(7.57,0.65)
SH1D0-SMD-VER-10P
  rect 0.4x1.5 smd: 1(1.24,3.41) 2(2.24,3.41) 3(3.24,3.41) 4(4.24,3.41) 5(5.24,3.41) 6(6.24,3.41) 7(7.24,3.41) 8(8.24,3.41) 9(9.24,3.41) 10(10.24,3.41)
  rect 1x1.5 smd: M1(0.41,0.65) M2(11.1,0.65)
SOD-523F
  rect 0.5x0.8 smd: 1(0,0) 2(0,-2)
SOT-6
  rect 0.7x0.3 smd: 1(0,0) 2(0,-0.5) 3(0,-1) 4(1.48,-1) 5(1.48,-0.5) 6(1.48,0)
SOT-23-3
  rect 1.3x0.6 smd: 1(0.3,2.47) 2(0.3,0.57) 3(2.4,1.52)
SOT-23-5
  rect 0.5x0.8 smd: 1(-0.95,-1.45) 2(0,-1.45) 3(0.95,-1.45) 4(0.96,1.45) 5(-0.94,1.45)
SOT-23-6
  rect 1.2x0.6 smd: 1(0,0) 2(0,-0.95) 3(0,-1.9) 4(2.8,-1.9) 5(2.8,-0.95) 6(2.8,0)
TP_SMD_CIR_1D0
  round 1 smd: 1(0,0)
TP_SMD_CIR_2D0
  round 2 smd: 1(0,0)
TSSOP-16
  rect 0.3x1.2 smd: 1(0,-5.5) 2(0.65,-5.5) 3(1.3,-5.5) 4(1.95,-5.5) 5(2.6,-5.5) 6(3.25,-5.5) 7(3.9,-5.5) 8(4.55,-5.5) 9(4.55,0) 10(3.9,0) 11(3.25,0) 12(2.6,0) 13(1.95,0) 14(1.3,0) 15(0.65,0) 16(0,0)
unnamed#2
  round 1.5 smd: (0,0)
VQFN-24
  rect 0.6x0.2 smd: 1(-2.03,1.25) 2(-2.03,0.75) 3(-2.03,0.25) 4(-2.03,-0.25) 5(-2.03,-0.75) 6(-2.03,-1.25) 13(2.01,-1.2) 14(2.01,-0.75) 15(2.01,-0.25) 16(2.01,0.25) 17(2.01,0.75) 18(2.01,1.25)
  rect 0.2x0.6 smd: 7(-1.25,-2.07) 8(-0.75,-2.07) 9(-0.25,-2.07) 10(0.25,-2.07) 11(0.75,-2.07) 12(1.25,-2.07) 19(1.25,2.07) 20(0.75,2.07) 21(0.25,2.07) 22(-0.25,2.07) 23(-0.75,2.07) 24(-1.25,2.07)
  rect 2.2x2.2 smd: 25(0,0)
WSON-6
  rect 0.5x0.3 smd: 1(-0.952,0.648) 2(-0.952,-0.002) 3(-0.952,-0.652) 4(0.948,-0.652) 5(0.948,-0.002) 6(0.948,0.648)
  rect 0.65x1.35 smd: 7(0,0)

## Nets
3V3_MCU: C136.1 C137.1 C138.1 C139.1 C153.1 C156.1 C158.1 C159.1 C161.1 C162.1 C168.1 C176.1 C189.1 C203.1 C460.2 C479.1 C515.2 C525.1 C532.1 C539.1 C546.1 C553.1 C573.1 C591.1 C600.2 C603.2 C606.2 C609.2 C610.2 C644.1 C645.1 C646.1 C647.1 D18.2(\K\) D24.2 J14.5 J15.3 J20.4 L17.1 L20.2 R135.2 R153.2 R157.2 R181.1 R183.2 R186.1 R187.2 R189.2 R291.1 R309.2 R320.1 R323.1 R328.2 R344.1 R374.2 R377.2 R378.2 U19.6 U19.11 U19.28 U19.50 U19.75 U19.100 U21.5(\OUT\) U25.5(\VCC\) U31.5(\VCC\) U37.5 U41.5(\VCC\) U42.5(\VCC\) U47.16(\VCC\) U50.5(\VCC\) U51.5(\VCC\) U52.5(\VCC\) U53.5(\VCC\)
3V3_MCU_A: C141.2 C142.2 L17.2 U19.22
5V5_MCU_IN: C130.1 C461.2 C466.2 L13.2 R308.2 TP11.1(\TP\) U38.4 U38.6
5V5_MCU_PWR: C75.1 C103.2 C115.2 C126.2 C416.2 C423.2 C427.2 C435.2 C436.2 C437.2 C651.2 C652.2 L7.2 L13.1 R75.2
5V_MCU: C155.1 C160.1 C488.2 C492.2 C493.2 C494.2 C495.2 C503.2 C566.1 C568.1 C570.1 C572.1 R308.1 R315.2 R317.1 R321.2 U21.1 U21.3 U38.1 U43.8 U44.8 U45.8 U46.8
12V_MTR: C76.1 C104.2 C116.2 C117.2 C124.2 C127.2 C131.2 C132.2 C413.2 C422.2 C429.2 C441.2 C442.2 C443.2 C650.2 J16.3 J16.4 L8.2 R76.2
GND: C61.1 C62.1 C63.1 C64.1 C69.1 C70.1 C79.2 C80.2 C84.1 C85.1 C103.1 C104.1 C115.1 C116.1 C117.1 C124.1 C126.1 C127.1 C130.2 C131.1 C132.1 C136.2 C137.2 C138.2 C139.2 C141.1 C142.1 C153.2 C154.1 C155.2 C156.2 C157.1 C158.2 C159.2 C160.2 C161.2 C162.2 C163.2 C166.1 C167.1 C168.2 C169.1 C170.1 C174.2 C176.2 C177.2 C178.2 C179.2 C180.2 C181.2 C185.2 C187.2 C188.2 C189.2 C190.2 C194.2 C196.2 C203.2 C364.1 C365.1 C366.1 C370.1 C371.1 C372.1 C373.1 C374.1 C375.1 C385.1 C386.1 C387.1 C413.1 C416.1 C422.1 C423.1 C427.1 C429.1 C435.1 C436.1 C437.1 C441.1 C442.1 C443.1 C460.1 C461.1 C466.1 C472.1 C479.2 C487.1 C488.1 C492.1 C493.1 C494.1 C495.1 C503.1 C504.1 C513.1 C515.1 C525.2 C527.1 C532.2 C539.2 C546.2 C553.2 C566.2 C567.2 C568.2 C569.2 C570.2 C571.2 C572.2 C573.2 C574.2 C590.2 C591.2 C592.2 C594.2 C595.2 C600.1 C603.1 C606.1 C607.2 C609.1 C610.1 C611.2 C642.2 C643.2 C644.2 C645.2 C646.2 C647.2 C648.2 C649.2 C650.1 C651.1 C652.1 D14.1(\CATHODE\) D15.1(\CATHODE\) D16.1(\CATHODE\) D17.1(\CATHODE\) D22.1 D24.1 D25.1 D40.1 D41.1(\CATHODE\) D42.1(\CATHODE\) D44.1 D45.1 D47.1 D48.1 D49.1 D50.1 D52.1 D53.1 D54.1 D55.1 D56.1(\CATHODE\) J7.1 J7.3 J7.5 J7.M1 J7.M2(\M2\) J14.6 J14.M1 J14.M2(\M2\) J15.4 J15.M1 J15.M2(\M2\) J16.1 J16.2 J16.M1 J16.M2(\M2\) J18.5 J18.M1 J18.M2(\M2\) J19.6 J19.M1 J19.M2(\M2\) J20.3 J20.M1 J20.M2(\M2\) J21.M1 J21.M2(\M2\) R50.1 R52.1 R58.1 R61.1 R69.1 R70.1 R134.2 R154.2 R170.1 R171.1 R172.1 R173.1 R176.2 R178.2 R180.2 R182.2 R184.2 R316.1 R343.1 R363.2 R370.2 R373.2 TP12.1(\TP\) U11.1 U11.12 U12.1 U12.12 U19.10(\VSS_5\) U19.19 U19.20 U19.27 U19.49 U19.74 U19.99 U21.2 U22.2(\VSS\) U25.2 U26.13 U26.17 U27.13 U27.17 U28.18 U28.25 U31.2 U37.2(\VSS\) U38.3 U38.7 U39.3 U40.3 U41.2 U42.2 U43.1 U43.5 U43.6 U44.1 U44.5 U44.6 U45.1 U45.5 U45.6 U46.1 U46.5 U46.6 U47.15 U48.18 U48.25 U50.2 U51.2 U52.2 U53.2
VBAT_ADC: U19.29 U22.1 U22.4
VBAT_IN: C61.2 C62.2 C63.2 C64.2 C79.1 C80.1 C364.2 C365.2 C366.2 C370.2 C371.2 C372.2 C373.2 C374.2 C375.2 C385.2 C386.2 C387.2 R49.2 R51.2 R59.2 R62.2 R156.1 U11.3(\VIN#3\) U11.14 U12.3(\VIN#3\) U12.14
232_TXD: J21.2 R345.1 R368.2
BOOT0: R343.2 R344.2 U19.94
BOOT1: R134.1 R135.1 U19.37
ENC1_A: D50.2 J14.2 U52.3
ENC1_A_BUF: U19.24 U52.4
ENC1_B: D49.2 J14.1 U52.1
ENC1_B_BUF: U19.23 U52.6
ENC2_A: D53.2 J14.4 U53.3
ENC2_A_BUF: U19.90 U53.4
ENC2_B: D52.2 J14.3 U53.1
ENC2_B_BUF: U19.91 U53.6
ENC3_A: D45.2 J14.8 U50.3
ENC3_A_BUF: U19.59 U50.4
ENC3_B: D44.2 J14.7 U50.1
ENC3_B_BUF: U19.60 U50.6
ENC4_A: D48.2 J14.10 U51.3
ENC4_A_BUF: U19.40 U51.4
ENC4_B: D47.2 J14.9 U51.1
ENC4_B_BUF: U19.42 U51.6
LASER_TXD: J21.3 R335.1 R372.2
LIMIT_SW1: U19.57 U31.4
LIMIT_SW2: U19.58 U31.6
LIMIT_SW3: U19.61 U25.4
LIMIT_SW4: U19.62 U25.6
LSW1: D22.2 J15.6 R187.1 U31.3
LSW2: D25.2 J15.5 R189.1 U31.1
LSW3: D54.2 J15.2 R377.1 U25.3
LSW4: D55.2 J15.1 R378.1 U25.1
M1_DRV+: J19.1 U26.2
M1_DRV-: J19.2 U26.4
M1_I_ADC: C567.1 R339.2 U19.18
M1_PWM+: U19.64 U26.10
M1_PWM-: U19.35 U26.9
M2_DRV+: J19.4 U26.7
M2_DRV-: J19.3 U26.5
M2_I_ADC: C574.1 R342.2 U19.17
M2_PWM+: U19.65 U26.16
M2_PWM-: U19.36 U26.15
M3_DRV+: J19.7 U27.2
M3_DRV-: J19.8 U27.4
M3_I_ADC: C571.1 R341.2 U19.16
M3_PWM+: U19.44 U27.16
M3_PWM-: U19.43 U27.15
M4_DRV+: J19.10 U27.7
M4_DRV-: J19.9 U27.5
M4_I_ADC: C569.1 R340.2 U19.15
M4_PWM+: U19.63 U27.9
M4_PWM-: U19.32 U27.10
MCU_LED1: R144.1 U19.70
MCU_LED2: R140.1 U19.67
MCU_LED3: R150.1 U19.77
MCU_LED4: R145.1 U19.80
MCU_RST_CPU: R309.1 TP55.1(\TP\) U19.33
MCU_RST_FPGA: R328.1 TP43.1(\TP\) U19.66
MCU_SPI2_MISO: TP60.1(\TP\) U19.53
MCU_SPI2_MOSI: TP59.1(\TP\) U19.54
MCU_SPI2_NSS: TP62.1(\TP\) U19.51
MCU_SPI2_SCK: TP61.1(\TP\) U19.52
MCU_UART1_RXD: TP57.1(\TP\) U19.69
MCU_UART1_TXD: TP58.1(\TP\) U19.68
MCU_UART3_RXD: R331.1 U19.56
MCU_UART3_TXD: R324.1 U19.55
MCU_UART4_RXD: R338.1 TP47.1(\TP\) U19.79
MCU_UART4_TXD: R332.1 TP48.1(\TP\) U19.78
NFAULT12: D20.1(\CATHODE\) U19.7 U26.8
NFAULT34: D21.1(\CATHODE\) U19.9 U27.8
NRST_MCU: C504.2 D40.2(\K\) R323.2 TP56.1(\TP\) U19.14
NSLEEP12: R180.1 U19.5 U26.1
NSLEEP34: R182.1 U19.8 U27.1
OSCIN: C527.2 U19.12 Y3.2
OSCOUT: C513.2 U19.13 Y3.1
PHY_UART_RX1: J21.4 R348.1 R371.2
PT100-1: J7.2 R299.2 U19.30
PT100-2: J7.4 R298.2 U19.31
PT100-3: J7.6 R297.2 U19.34
SMTR1_ADEC: U19.86 U48.19
SMTR1_DEC0: U19.83 U48.22
SMTR1_DEC1: U19.81 U48.24
SMTR1_DIR: U19.87 U48.13
SMTR1_I0: U19.85 U48.20
SMTR1_I1: U19.84 U48.21
SMTR1_M0: U19.92 U48.8
SMTR1_M1: U19.89 U48.9
SMTR1_NFAULT: D43.1(\CATHODE\) U19.93 U48.7
SMTR1_NSLEEP: U19.82 U48.23
SMTR1_PWM: U19.25 U48.12
SMTR1_TOFF_SEL: U19.88 U48.10
SMTR2_ADEC: U19.4 U28.19
SMTR2_DEC0: U19.97 U28.22
SMTR2_DEC1: U19.95 U28.24
SMTR2_DIR: U19.47 U28.13
SMTR2_I0: U19.71 U28.20
SMTR2_I1: U19.98 U28.21
SMTR2_M0: U19.3 U28.8
SMTR2_M1: U19.2 U28.9
SMTR2_NFAULT: D19.1(\CATHODE\) U19.46 U28.7
SMTR2_NSLEEP: U19.96 U28.23
SMTR2_PWM: U19.26 U28.12
SMTR2_TOFF_SEL: U19.1 U28.10
STEP1A_DRV1: J18.1 U48.1
STEP1A_DRV2: J18.2 U48.3
STEP1B_DRV1: J18.4 U48.6
STEP1B_DRV2: J18.3 U48.4
STEP2A_DRV1: J18.7 U28.1
STEP2A_DRV2: J18.8 U28.3
STEP2B_DRV1: J18.10 U28.6
STEP2B_DRV2: J18.9 U28.4
SWCLK: J20.2 R157.1 U19.76
SWDIO: J20.1 R153.1 U19.72
TTL_TXD: J21.1 R350.1 R369.2
